# Altium PCB RFID_PCB.PcbDoc (part 1 of 4)
Units mil, origin at the board's own origin, x right, y up, seen from the top; angles counter-clockwise.
Board outline 6299.21 x 3937.01 mil, 2 copper layers (Top Layer, Bottom Layer); 297 components, 238 nets, 1087 pads, 705 vias.
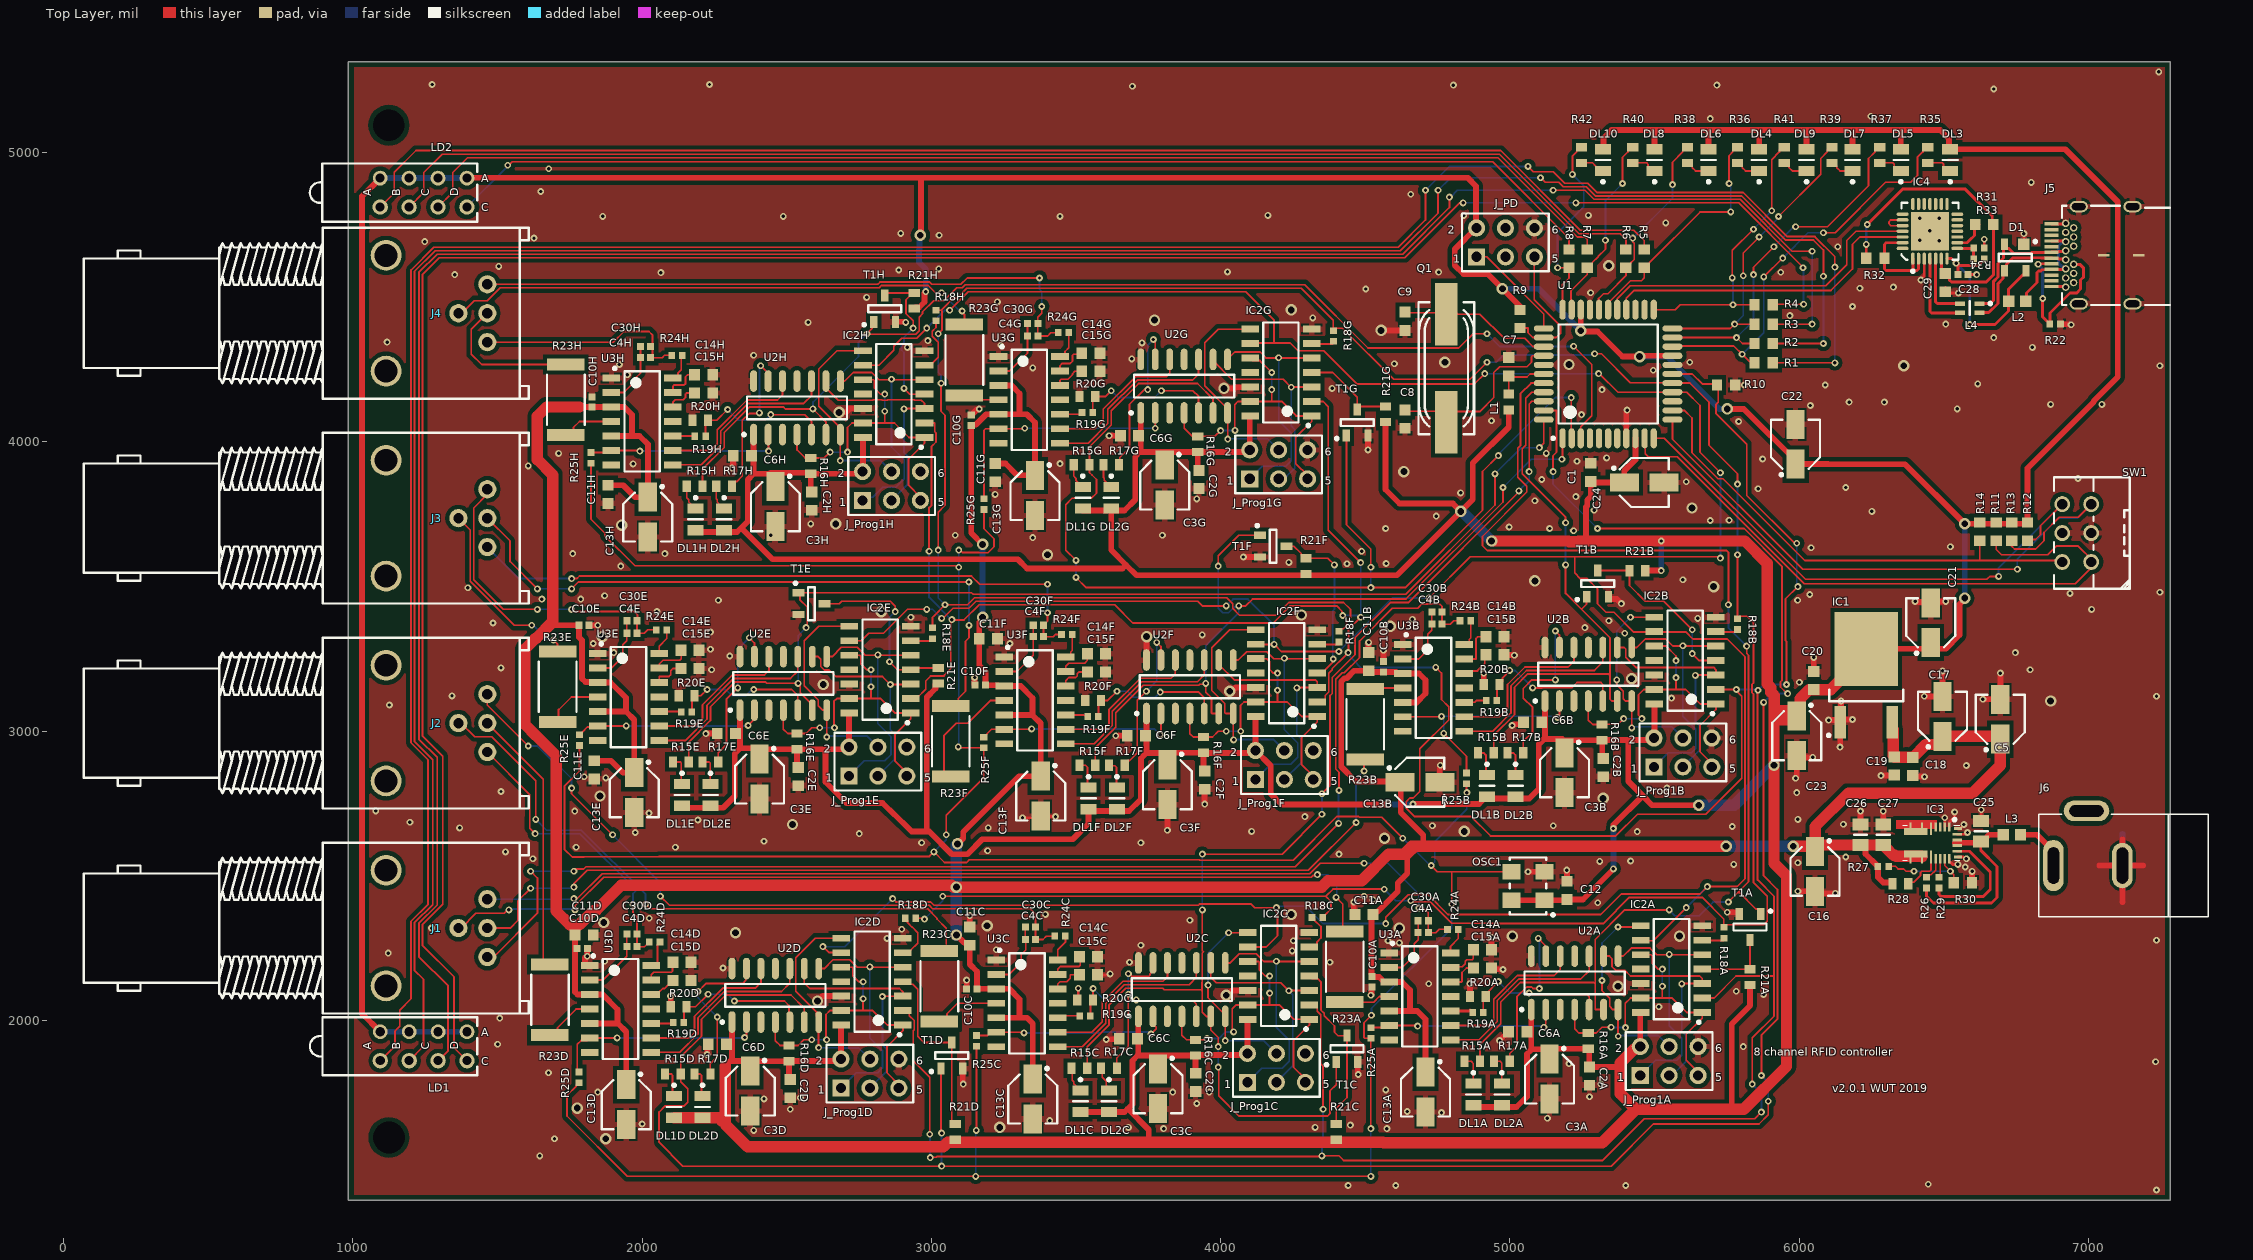
[diagram p0: Top Layer view]
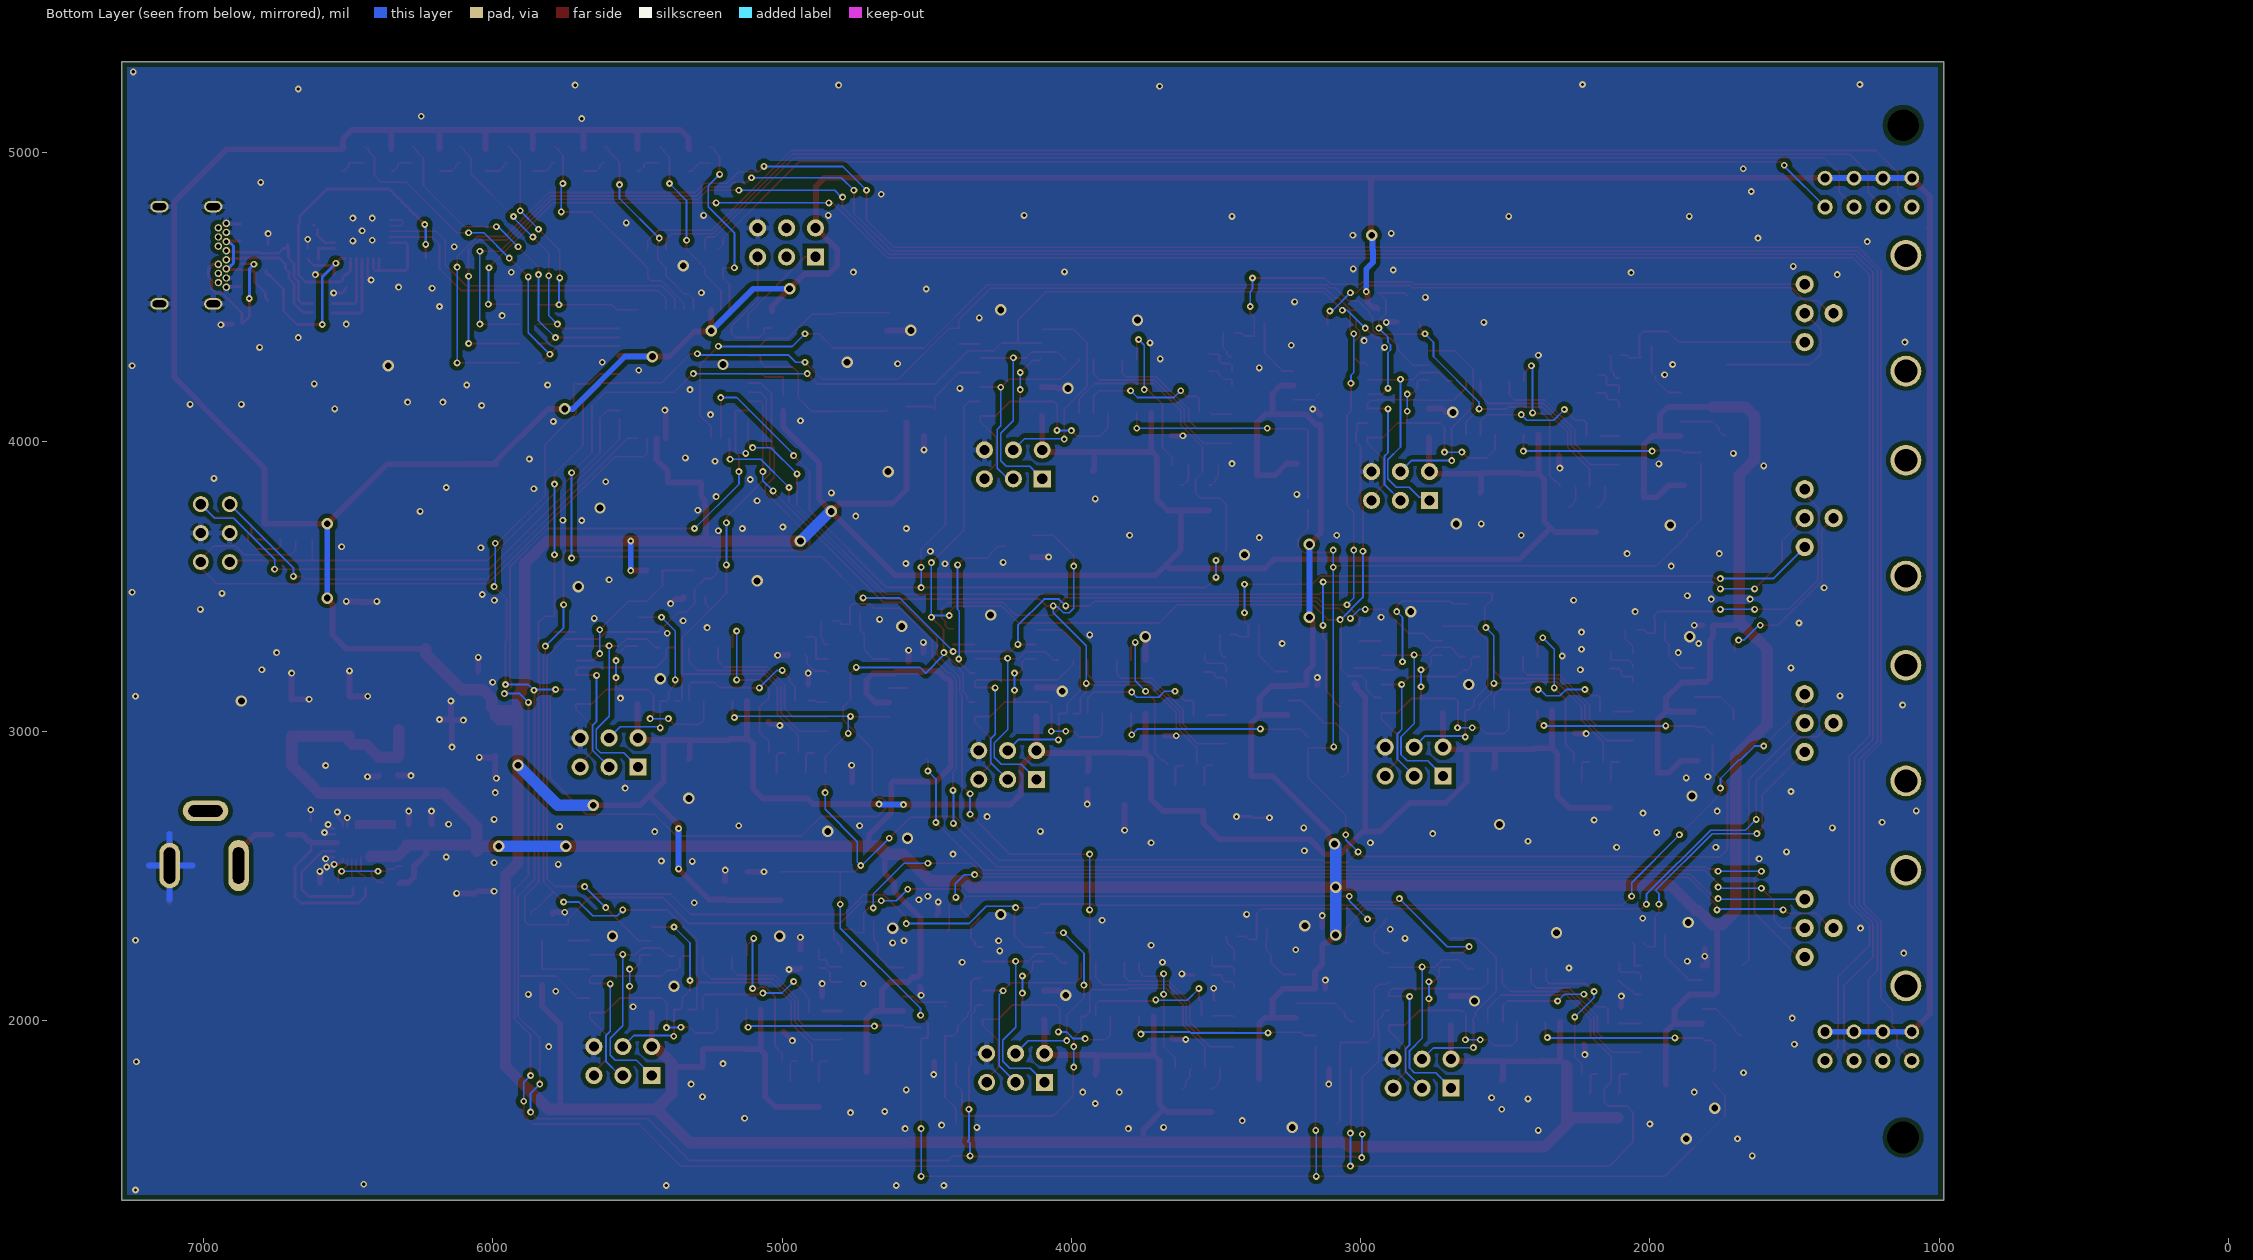
[diagram p1: Bottom Layer view, seen from below]
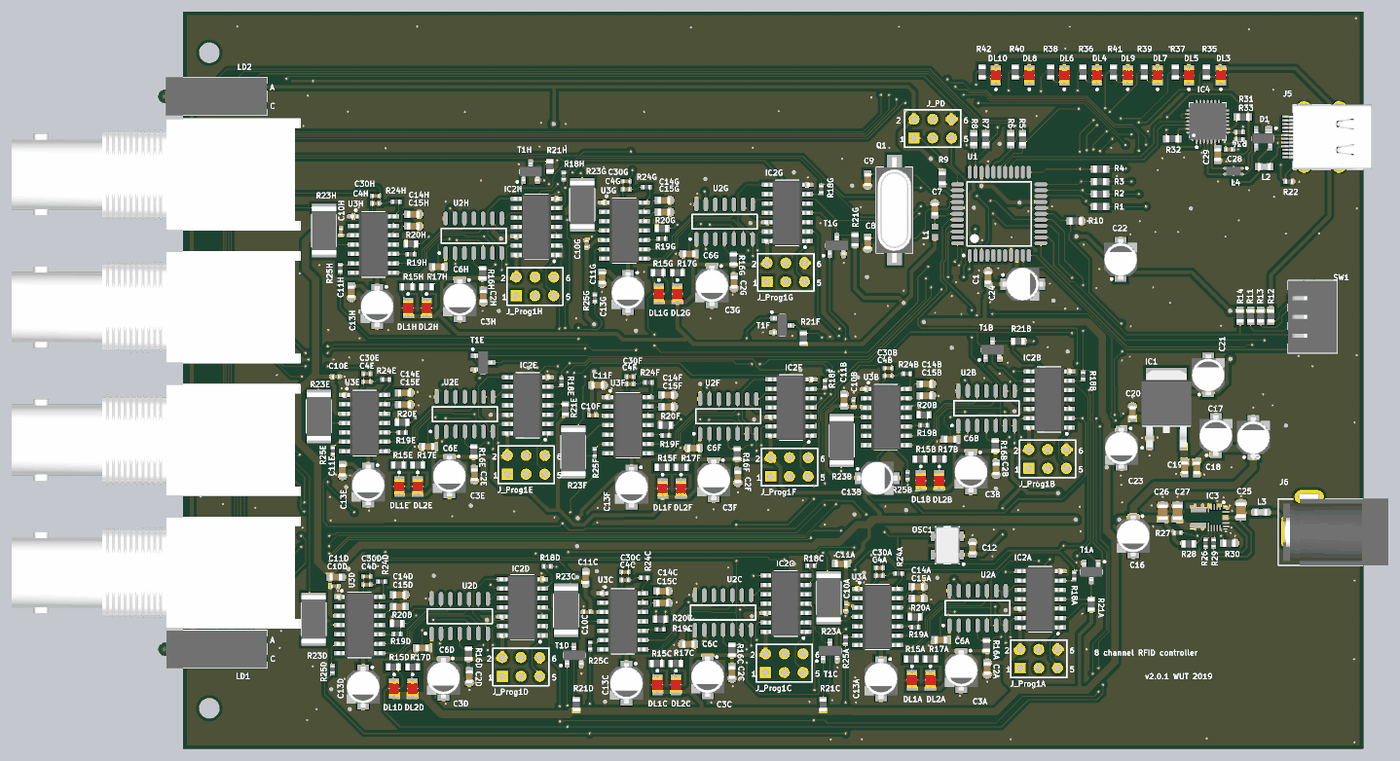
[diagram p5: 3D render of the assembled board from above, using the file's embedded part models]

## Layer stack, top to bottom
Top Solder: solder mask 0.4, Solder Resist, Dk 3.5
Top Layer: signal copper 1.4
Dielectric1: dielectric 12.6, FR-4, Dk 4.8
Bottom Layer: signal copper 1.4
Bottom Solder: solder mask 0.4, Solder Resist, Dk 3.5

## Board outline
984.25,1377.95 7283.46,1377.95 7283.46,5314.96 984.25,5314.96

## Design rules (kind name [scope] priority, off if disabled: settings)
Clearance Clearance_polygon [InPolygon] p1: gap=15 ignorepadtopadclearanceinfootprint=FALSE
Clearance Clearance_power [(InNet('P3V3') OR InNet('P5V0'))] p2 off: gap=20 ignorepadtopadclearanceinfootprint=FALSE except(0: Arc-Hole Track-Hole SMDPad-Hole THPad-Hole Via-Hole Fill-Hole Poly-Hole Region-Hole Text-Hole)
Clearance [NOT ((InNet('P3V3') OR InNet('P5V0')))] p3: gap=6 ignorepadtopadclearanceinfootprint=TRUE except(0: Arc-Hole Track-Hole SMDPad-Hole THPad-Hole Via-Hole Fill-Hole Poly-Hole Region-Hole Text-Hole)
ComponentClearance [All] p1 off: gap=10 collisioncheckmode=3 verticalgap=10 showdistances=FALSE
Height [All] p1 off: minheight=0 maxheight=1968.5 prefheight=500
HoleToHoleClearance [All] p1: gap=0.98 allowstackedmicrovias=TRUE
MinimumSolderMaskSliver [All] p1: minsoldermaskwidth=0
PlaneConnect [All] p1: planeconnectstyle=Relief reliefexpansion=20 reliefentries=4 reliefconductorwidth=20 reliefairgap=10
PolygonConnect [All] p1: thpad.connectstyle=Relief thpad.reliefconductorwidth=20 thpad.reliefentries=4 thpad.polygonreliefangle="90 Angle" thpad.airgapwidth=10 smdpad.connectstyle=Relief smdpad.reliefconductorwidth=20 smdpad.reliefentries=4 smdpad.polygonreliefangle="90 Angle" smdpad.airgapwidth=6 via.connectstyle=Direct via.reliefconductorwidth=10 via.reliefentries=4 via.polygonreliefangle="90 Angle" via.airgapwidth=10
RoomDefinition U_USB [InComponentClass('U_USB')] p1 off: confinementstyle=ConfineIn formatcopy=TRUE lockcomponents=FALSE outline 925.2,1291.34 7952.76,1291.34 7952.76,5322.83 925.2,5322.83
RoomDefinition U_pOWER [InComponentClass('U_pOWER')] p2 off: confinementstyle=ConfineIn formatcopy=TRUE lockcomponents=FALSE outline 7326.76,1437.01 7511.8,1437.01 7511.8,1759.84 7326.76,1759.84
RoomDefinition Master [InComponentClass('Master')] p3 off: confinementstyle=ConfineIn formatcopy=TRUE lockcomponents=FALSE outline 0,0 2000,0 2000,1000 0,1000
RoomDefinition S8 [InComponentClass('S8')] p4 off: confinementstyle=ConfineIn formatcopy=TRUE lockcomponents=FALSE outline 0,0 2000,0 2000,1000 0,1000
RoomDefinition S7 [InComponentClass('S7')] p5 off: confinementstyle=ConfineIn formatcopy=TRUE lockcomponents=FALSE outline 0,0 2000,0 2000,1000 0,1000
RoomDefinition S6 [InComponentClass('S6')] p6 off: confinementstyle=ConfineIn formatcopy=TRUE lockcomponents=FALSE outline 0,0 2000,0 2000,1000 0,1000
RoomDefinition S5 [InComponentClass('S5')] p7 off: confinementstyle=ConfineIn formatcopy=TRUE lockcomponents=FALSE outline 0,0 2000,0 2000,1000 0,1000
RoomDefinition S4 [InComponentClass('S4')] p8 off: confinementstyle=ConfineIn formatcopy=TRUE lockcomponents=FALSE outline 0,0 2000,0 2000,1000 0,1000
RoomDefinition S3 [InComponentClass('S3')] p9 off: confinementstyle=ConfineIn formatcopy=TRUE lockcomponents=FALSE outline 0,0 2000,0 2000,1000 0,1000
RoomDefinition S2 [InComponentClass('S2')] p10 off: confinementstyle=ConfineIn formatcopy=TRUE lockcomponents=FALSE outline 0,0 2000,0 2000,1000 0,1000
RoomDefinition S1 [InComponentClass('S1')] p11 off: confinementstyle=ConfineIn formatcopy=TRUE lockcomponents=FALSE outline 0,0 2000,0 2000,1000 0,1000
RoutingVias [All] p1: holewidth=11.81 width=23.62 viastyle="Through Hole" minholewidth=0 minwidth=0 maxholewidth=35.43 maxwidth=40
SilkToSilkClearance [All] p1: silktosilkclearance=0
SilkToSolderMaskClearance [IsPad] p1: minsilkscreentomaskgap=0 clearancetoexposedcopper=TRUE
SolderMaskExpansion [All] p1: expansion=4 istentingtop=FALSE
SupplyNets "Schematic Supply Nets_4" [InNet('P5V0')] p1: voltage=0.000
SupplyNets "Schematic Supply Nets_3" [InNet('P3V3')] p2: voltage=0.000
SupplyNets "Schematic Supply Nets_2" [InNet('GND')] p3: voltage=0.000
SupplyNets "Schematic Supply Nets_1" [InNet('P5V0USB')] p4: voltage=0.000
SupplyNets "Schematic Supply Nets" [InNet('CP_VCC')] p5: voltage=0.000
Width Width_power [(InNet('P3V3') OR InNet('P5V0'))] p1: maxlimit=40 minlimit=20 preferedwidth=20
Width [All] p2: maxlimit=40 minlimit=5 preferedwidth=6
23 further rules are at their usual default settings.

## Classes and differential pairs
component class U_USB: C28 C29 D1 IC4 J5 L2 L4 R22 R31 R32 R33 R34
component class U_pOWER: C5 C16 C17 C18 C19 C20 C21 C22 C23 C25 C26 C27 IC1 IC3 J6 L3 R26 R27 R28 R29 R30
net class IN_P[1..8]: IN_P1 IN_P2 IN_P3 IN_P4 IN_P5 IN_P6 IN_P7 IN_P8
net class IN_N[1..8]: IN_N1 IN_N2 IN_N3 IN_N4 IN_N5 IN_N6 IN_N7 IN_N8
net class SS_BUS[1..8]: SS_BUS1 SS_BUS2 SS_BUS3 SS_BUS4 SS_BUS5 SS_BUS6 SS_BUS7 SS_BUS8
component class Master: C1 C4 C7 C8 C9 C12 C24 DL3 DL4 DL5 DL6 DL7 DL8 DL9 DL10 J1 J2 J3 J4 J? J_PD L1 LD1 LD2 OSC1 Q1 R1 R2 R3 R4 R5 R6 R7 R8 R9 R10 R11 R12 R13 R14 R35 R36 R37 R38 R39 R40 R41 R42 SW1 U1
component class S8: C2H C3H C4H C6H C10H C11H C13H C14H C15H C30H DL1H DL2H IC2H J_Prog1H R15H R16H R17H R18H R19H R20H R21H R23H R24H R25H T1H U2H U3H
component class S7: C2G C3G C4G C6G C10G C11G C13G C14G C15G C30G DL1G DL2G IC2G J_Prog1G R15G R16G R17G R18G R19G R20G R21G R23G R24G R25G T1G U2G U3G
component class S6: C2F C3F C4F C6F C10F C11F C13F C14F C15F C30F DL1F DL2F IC2F J_Prog1F R15F R16F R17F R18F R19F R20F R21F R23F R24F R25F T1F U2F U3F
component class S5: C2E C3E C4E C6E C10E C11E C13E C14E C15E C30E DL1E DL2E IC2E J_Prog1E R15E R16E R17E R18E R19E R20E R21E R23E R24E R25E T1E U2E U3E
component class S4: C1_S4 C2_S4 C2D C3_S4 C3D C4_S4 C4D C5_S4 C6_S4 C6D C7_S4 C8_S4 C9_S4 C10D C11D C13D C14D C15D C30D DL1_S4 DL1D DL2_S4 DL2D IC1_S4 IC2D J_Prog1_S4 J_Prog1D R1_S4 R2_S4 R3_S4 R4_S4 R5_S4 R6_S4 R15D R16D R17D R18D R19D R20D R21D R23D R24D R25D T1D U1_S4 U2_S4 U2D U3D
component class S3: C2C C3C C4C C6C C10C C11C C13C C14C C15C C30C DL1C DL2C IC2C J_Prog1C R15C R16C R17C R18C R19C R20C R21C R23C R24C R25C T1C U2C U3C
component class S2: C2B C3B C4B C6B C10B C11B C13B C14B C15B C30B DL1B DL2B IC2B J_Prog1B R15B R16B R17B R18B R19B R20B R21B R23B R24B R25B T1B U2B U3B
component class S1: C1_S1 C2_S1 C2A C3_S1 C3A C4_S1 C4A C5_S1 C6A C7_S1 C8_S1 C9_S1 C10A C11A C13A C14A C15A C30A DL1_S1 DL1A DL2_S1 DL2A IC1_S1 IC2A J_Prog1_S1 J_Prog1A R1_S1 R2_S1 R3_S1 R4_S1 R5_S1 R6_S1 R15A R16A R17A R18A R19A R20A R21A R23A R24A R25A T1A U1_S1 U2_S1 U2A U3A
channel class Slave: S1 S2 S3 S4 S5 S6 S7 S8

## Components (designator, comment, footprint, x,y, rotation, side; value= is the part's Value field where it differs from the comment)
C1 "100nF" CAPC1608X87N 5280,3895 r270 top
C2A "100nF" CAPC1608X87N 5275.59,1807.09 r90 top (schematic designator C2)
C2B "100nF" CAPC1608X87N 5322.83,2874.02 r90 top (schematic designator C2)
C2C "100nF" CAPC1608X87N 3913.59,1785.83 r90 top (schematic designator C2)
C2D "100nF" CAPC1608X87N 2511.81,1763.78 r90 top (schematic designator C2)
C2E "100nF" CAPC1608X87N 2539.37,2842.52 r90 top (schematic designator C2)
C2F "100nF" CAPC1608X87N 3944.88,2830.71 r90 top (schematic designator C2)
C2G "100nF" CAPC1608X87N 3925.2,3870.08 r90 top (schematic designator C2)
C2H "100nF" CAPC1608X87N 2586.61,3795.28 r90 top (schematic designator C2)
C3A "22uF" CAPAE430X540N 5137.4,1797.64 r270 top (schematic designator C3)
C3B "22uF" CAPAE430X540N 5188.98,2856.3 r270 top (schematic designator C3)
C3C "22uF" CAPAE430X540N 3783.46,1763.78 r270 top (schematic designator C3)
C3D "22uF" CAPAE430X540N 2374.02,1755.91 r270 top (schematic designator C3)
C3E "22uF" CAPAE430X540N 2405.51,2834.65 r270 top (schematic designator C3)
C3F "22uF" CAPAE430X540N 3816.14,2814.96 r270 top (schematic designator C3)
C3G "22uF" CAPAE430X540N 3806.69,3851.1 r270 top (schematic designator C3)
C3H "22uF" CAPAE430X540N 2460.63,3776.3 r270 top (schematic designator C3)
C4A "2.2nF" CAPC1005X55N 4700.79,2303.15 r180 top (schematic designator C4)
C4B "2.2nF" CAPC1005X55N 4748.03,3370.08 r180 top (schematic designator C4)
C4C "2.2nF" CAPC1005X55N 3342.52,2279.53 r180 top (schematic designator C4)
C4D "2.2nF" CAPC1005X55N 1964.57,2255 r180 top (schematic designator C4)
C4E "2.2nF" CAPC1005X55N 1964.57,3338.58 r180 top (schematic designator C4)
C4F "2.2nF" CAPC1005X55N 3370.08,3326.77 r180 top (schematic designator C4)
C4G "2.2nF" CAPC1005X55N 3350.39,4366.14 r180 top (schematic designator C4)
C4H "2.2nF" CAPC1005X55N 2011.81,4291.34 r180 top (schematic designator C4)
C5 "22uF" CAPAE430X540N 6696.14,3041.18 r90 top
C6A "100nF" CAPC1608X87N 5027.56,1960.63 r0 top (schematic designator C6)
C6B "100nF" CAPC1608X87N 5078.74,3031.5 r0 top (schematic designator C6)
C6C "100nF" CAPC1608X87N 3681.35,1937.01 r0 top (schematic designator C6)
C6D "100nF" CAPC1608X87N 2259.84,1917.32 r0 top (schematic designator C6)
C6E "100nF" CAPC1608X87N 2291.34,2992.13 r0 top (schematic designator C6)
C6F "100nF" CAPC1608X87N 3708.66,2984.25 r0 top (schematic designator C6)
C6G "100nF" CAPC1608X87N 3685.04,4020.87 r0 top (schematic designator C6)
C6H "100nF" CAPC1608X87N 2346.46,3952.76 r0 top (schematic designator C6)
C7 "100nF" CAPC1608X87N 4996.06,4260 r270 top
C8 "12pF" CAPC1608X87N 4637.8,4078.74 r90 top
C9 "12pF" CAPC1608X87N 4637.8,4417.32 r90 top
C10A "1uF" CAPC1005X55N 4523.62,2133.86 r270 top (schematic designator C10)
C10B "1uF" CAPC1005X55N 4562.99,3222.44 r90 top (schematic designator C10)
C10C "1uF" CAPC1005X55N 3139.76,2109.06 r180 top (schematic designator C10)
C10D "1uF" CAPC1005X55N 1792.67,2248.03 r0 top (schematic designator C10)
C10E "1uF" CAPC1005X55N 1799.21,3366.14 r0 top (schematic designator C10)
C10F "1uF" CAPC1005X55N 3169.29,3158.98 r180 top (schematic designator C10)
C10G "1uF" CAPC1005X55N 3137.8,4074.8 r90 top (schematic designator C10)
C10H "1uF" CAPC1005X55N 1826.77,4138.16 r90 top (schematic designator C10)
C11A "100nF" CAPC1608X87N 4496.06,2366.14 r0 top (schematic designator C11)
C11B "100nF" CAPC1608X87N 4511.81,3240.16 r270 top (schematic designator C11)
C11C "100nF" CAPC1608X87N 3132.89,2291.34 r270 top (schematic designator C11)
C11D "100nF" CAPC1608X87N 1799.21,2295.27 r180 top (schematic designator C11)
C11E "100nF" CAPC1608X87N 1834.65,2866.14 r90 top (schematic designator C11)
C11F "100nF" CAPC1608X87N 3196.85,3320.08 r180 top (schematic designator C11)
C11G "100nF" CAPC1608X87N 3220.47,3893.7 r90 top (schematic designator C11)
C11H "100nF" CAPC1608X87N 1881.89,3818.9 r90 top (schematic designator C11)
C12 "100nF" CAPC1608X87N 5197.91,2449.9 r270 top
C13A "22uF" CAPAE430X540N 4708.66,1751.97 r270 top (schematic designator C13)
C13B "22uF" CAPAE430X540N 4688.98,2823.54 r0 top (schematic designator C13)
C13C "22uF" CAPAE430X540N 3350.39,1728.35 r270 top (schematic designator C13)
C13D "22uF" CAPAE430X540N 1944.88,1708.66 r270 top (schematic designator C13)
C13E "22uF" CAPAE430X540N 1972.44,2787.4 r270 top (schematic designator C13)
C13F "22uF" CAPAE430X540N 3377.95,2775.59 r270 top (schematic designator C13)
C13G "22uF" CAPAE430X540N 3358.27,3814.96 r270 top (schematic designator C13)
C13H "22uF" CAPAE430X540N 2019.69,3740.16 r270 top (schematic designator C13)
C14A "100nF" CAPC1608X87N 4905.51,2244.09 r180 top (schematic designator C14)
C14B "100nF" CAPC1608X87N 4948.82,3326.77 r180 top (schematic designator C14)
C14C "100nF" CAPC1608X87N 3543.31,2220.47 r180 top (schematic designator C14)
C14D "100nF" CAPC1608X87N 2137.8,2200.79 r180 top (schematic designator C14)
C14E "100nF" CAPC1608X87N 2165.35,3279.53 r180 top (schematic designator C14)
C14F "100nF" CAPC1608X87N 3570.87,3267.72 r180 top (schematic designator C14)
C14G "100nF" CAPC1608X87N 3551.18,4307.09 r180 top (schematic designator C14)
C14H "100nF" CAPC1608X87N 2212.6,4232.28 r180 top (schematic designator C14)
C15A "100nF" CAPC1608X87N 4905.51,2181.1 r180 top (schematic designator C15)
C15B "100nF" CAPC1608X87N 4948.82,3263.78 r180 top (schematic designator C15)
C15C "100nF" CAPC1608X87N 3543.31,2157.48 r180 top (schematic designator C15)
C15D "100nF" CAPC1608X87N 2137.8,2137.8 r180 top (schematic designator C15)
C15E "100nF" CAPC1608X87N 2165.35,3216.54 r180 top (schematic designator C15)
C15F "100nF" CAPC1608X87N 3570.87,3204.72 r180 top (schematic designator C15)
C15G "100nF" CAPC1608X87N 3551.18,4244.09 r180 top (schematic designator C15)
C15H "100nF" CAPC1608X87N 2212.6,4169.29 r180 top (schematic designator C15)
C16 "22uF" CAPAE430X540N 6055.12,2515.23 r270 top
C17 "22uF" CAPAE430X540N 6496.06,3051.18 r90 top
C18 "100nF" CAPC1608X87N 6393.7,2877.95 r270 top
C19 "100nF" CAPC1608X87N 6329.53,2879.53 r270 top
C20 "100nF" CAPC1608X87N 6051.18,3175.11 r90 top
C21 "22uF" CAPAE430X540N 6455.71,3375 r90 top
C22 "22uF" CAPAE430X540N 5988.19,3992.13 r90 top
C23 "22uF" CAPAE430X540N 5992.13,2984.25 r270 top
C24 "22uF" CAPAE430X540N 5465,3860 r0 top
C25 "10uF" CAPC2012X135N 6629.92,2653.54 r270 top
C26 "22uF" CAPC2012X135N 6212.6,2641.73 r270 top
C27 "22uF" CAPC2012X135N 6291.34,2641.73 r270 top
C28 "1uF" CAPC1005X55N 6566.93,4578.74 r180 top
C29 "100nF" CAPC1608X87N 6506.21,4551.18 r90 top
C30A "6.8nF" CAPC1005X55N 4700.79,2344.56 r180 top (schematic designator C30)
C30B "6.8nF" CAPC1005X55N 4748.03,3411.42 r180 top (schematic designator C30)
C30C "6.8nF" CAPC1005X55N 3342.52,2322.83 r180 top (schematic designator C30)
C30D "6.8nF" CAPC1005X55N 1964.57,2299.21 r180 top (schematic designator C30)
C30E "6.8nF" CAPC1005X55N 1964.57,3381.89 r180 top (schematic designator C30)
C30F "6.8nF" CAPC1005X55N 3370.08,3366.14 r180 top (schematic designator C30)
C30G "6.8nF" CAPC1005X55N 3350.39,4409.45 r180 top (schematic designator C30)
C30H "6.8nF" CAPC1005X55N 2011.81,4330.71 r180 top (schematic designator C30)
D1 "PRTR5V0U2X" SOT190P230X110-4N 6748.03,4637.8 r270 top
DL1A "Red" LED_OSRAM_LSR976 4874.02,1744.09 r270 top (schematic designator DL1)
DL1B "Red" LED_OSRAM_LSR976 4921.26,2811.02 r270 top (schematic designator DL1)
DL1C "Red" LED_OSRAM_LSR976 3515.75,1720.47 r270 top (schematic designator DL1)
DL1D "Red" LED_OSRAM_LSR976 2110.24,1700.79 r270 top (schematic designator DL1)
DL1E "Red" LED_OSRAM_LSR976 2137.8,2779.53 r270 top (schematic designator DL1)
DL1F "Red" LED_OSRAM_LSR976 3543.31,2767.72 r270 top (schematic designator DL1)
DL1G "Red" LED_OSRAM_LSR976 3523.62,3807.09 r270 top (schematic designator DL1)
DL1H "Red" LED_OSRAM_LSR976 2185.04,3732.28 r270 top (schematic designator DL1)
DL2A "Red" LED_OSRAM_LSR976 4972.44,1744.09 r270 top (schematic designator DL2)
DL2B "Red" LED_OSRAM_LSR976 5019.69,2811.02 r270 top (schematic designator DL2)
DL2C "Red" LED_OSRAM_LSR976 3614.17,1720.47 r270 top (schematic designator DL2)
DL2D "Red" LED_OSRAM_LSR976 2208.66,1700.79 r270 top (schematic designator DL2)
DL2E "Red" LED_OSRAM_LSR976 2236.22,2779.53 r270 top (schematic designator DL2)
DL2F "Red" LED_OSRAM_LSR976 3641.73,2767.72 r270 top (schematic designator DL2)
DL2G "Red" LED_OSRAM_LSR976 3622.05,3807.09 r270 top (schematic designator DL2)
DL2H "Red" LED_OSRAM_LSR976 2283.46,3732.28 r270 top (schematic designator DL2)
DL3 "Red" LED_OSRAM_LSR976 6522.83,4974.6 r90 top
DL4 "Red" LED_OSRAM_LSR976 5862.2,4974.6 r90 top
DL5 "Red" LED_OSRAM_LSR976 6351.97,4974.6 r90 top
DL6 "Red" LED_OSRAM_LSR976 5687.4,4974.6 r90 top
DL7 "Red" LED_OSRAM_LSR976 6185.04,4974.6 r90 top
DL8 "Red" LED_OSRAM_LSR976 5500.79,4974.6 r90 top
DL9 "Red" LED_OSRAM_LSR976 6025.98,4974.6 r90 top
DL10 "Red" LED_OSRAM_LSR976 5322.05,4974.6 r90 top
IC1 "NCP1117DT33G" TO228P991X239-3N-R552X520 6232.28,3194.09 r90 top
IC2A "74LVC126A" SOIC127P600X175-14N 5559.06,2177.17 r180 top (schematic designator IC2)
IC2B "74LVC126A" SOIC127P600X175-14N 5606.3,3244.09 r180 top (schematic designator IC2)
IC2C "74LVC126A" SOIC127P600X175-14N 4200.79,2153.54 r180 top (schematic designator IC2)
IC2D "74LVC126A" SOIC127P600X175-14N 2795.28,2133.86 r180 top (schematic designator IC2)
IC2E "74LVC126A" SOIC127P600X175-14N 2822.83,3212.6 r180 top (schematic designator IC2)
IC2F "74LVC126A" SOIC127P600X175-14N 4228.35,3200.79 r180 top (schematic designator IC2)
IC2G "74LVC126A" SOIC127P600X175-14N 4208.66,4240.16 r180 top (schematic designator IC2)
IC2H "74LVC126A" SOIC127P600X175-14N 2870.08,4165.35 r180 top (schematic designator IC2)
IC3 "MPM3632C" "PCBComponent_1 - duplicate" 6452.76,2614.17 r270 top
IC4 "CP2102-GM" QFN50P500X500X100-29N-S335 6452.76,4728.35 r90 top
J1 "Family" RENHOTEC_RHT-610-0049 1220.47,2319.14 r180 top
J2 "Family" RENHOTEC_RHT-610-0049 1220.47,3027.8 r180 top
J3 "Family" RENHOTEC_RHT-610-0049 1220.47,3736.46 r180 top
J4 "Family" RENHOTEC_RHT-610-0049 1220.47,4445.13 r180 top
J5 "632723300011" 632723300011 7106.3,4645.67 r90 top
J6 "PC-GK2.1" DC2020 6879.92,2535.43 r270 top
J_PD "DS1021-2*3SF11-B" HDR2X3 4885,4640 r0 top
J_Prog1A "DS1021-2*3SF11-B" HDR2X3 5451.18,1809.45 r0 top (schematic designator J_Prog1)
J_Prog1B "DS1021-2*3SF11-B" HDR2X3 5498.43,2876.38 r0 top (schematic designator J_Prog1)
J_Prog1C "DS1021-2*3SF11-B" HDR2X3 4092.91,1785.83 r0 top (schematic designator J_Prog1)
J_Prog1D "DS1021-2*3SF11-B" HDR2X3 2687.4,1766.14 r0 top (schematic designator J_Prog1)
J_Prog1E "DS1021-2*3SF11-B" HDR2X3 2715,2845 r0 top (schematic designator J_Prog1)
J_Prog1F "DS1021-2*3SF11-B" HDR2X3 4120.47,2833.07 r0 top (schematic designator J_Prog1)
J_Prog1G "DS1021-2*3SF11-B" HDR2X3 4100.79,3872.44 r0 top (schematic designator J_Prog1)
J_Prog1H "DS1021-2*3SF11-B" HDR2X3 2762.2,3797.64 r0 top (schematic designator J_Prog1)
L1 "1500R@100MHz" 1608[0603] 4996.06,4137.8 r270 top
L2 "120R@100MHz" INDC1608X65N 6755,4486.48 r180 top
L3 "120R@100MHz" INDC1608X65N 6736.22,2641.73 r180 top
L4 "90R@100MHz" IND_MURATA_DLW21S 6590.55,4462.86 r180 top
LD1 "H485CGDL" LED_BIVAR_H485CGDL 1244.49,1910.63 r0 top
LD2 "H485CGDL" LED_BIVAR_H485CGDL 1244.09,4862.2 r0 top
OSC1 "ISM92-3351AH-4.0000" OSCSC250P320X500X130-4N 5062.91,2464.9 r180 top
Q1 "LFXTAL003237" XTAL1160X490X430 4780.63,4255 r90 top value=16MHz
R1 "510" RESC1608X55N 5877.52,4273.5 r180 top
R2 "510" RESC1608X55N 5877.52,4340.43 r180 top
R3 "510" RESC1608X55N 5877.52,4407.36 r180 top
R4 "510" RESC1608X55N 5877.52,4474.29 r180 top
R5 "510" RESC1608X55N 5465,4633.86 r270 top
R6 "510" RESC1608X55N 5401.57,4633.86 r270 top
R7 "510" RESC1608X55N 5267.72,4633.86 r270 top
R8 "510" RESC1608X55N 5204.72,4633.86 r270 top
R9 "10k" RESC1608X55N 5035.43,4425.2 r90 top
R10 "10k" RESC1608X55N 5748.03,4196.85 r180 top
R11 "10k" RESC1608X55N 6681.67,3690 r90 top
R12 "10k" RESC1608X55N 6790,3690 r90 top
R13 "10k" RESC1608X55N 6735,3690 r90 top
R14 "10k" RESC1608X55N 6625,3690 r90 top
R15A "1k" RESC1608X50N 4870.08,1858.27 r180 top (schematic designator R15)
R15B "1k" RESC1608X50N 4917.32,2925.2 r180 top (schematic designator R15)
R15C "1k" RESC1608X50N 3511.81,1834.65 r180 top (schematic designator R15)
R15D "1k" RESC1608X50N 2106.3,1814.96 r180 top (schematic designator R15)
R15E "1k" RESC1608X50N 2133.86,2893.7 r180 top (schematic designator R15)
R15F "1k" RESC1608X50N 3539.37,2881.89 r180 top (schematic designator R15)
R15G "1k" RESC1608X50N 3519.68,3921.26 r180 top (schematic designator R15)
R15H "1k" RESC1608X50N 2181.1,3846.46 r180 top (schematic designator R15)
R16A "10k" RESC1608X50N 5271.65,1929.13 r270 top value=1k (schematic designator R16)
R16B "10k" RESC1608X50N 5318.9,2996.06 r270 top value=1k (schematic designator R16)
R16C "10k" RESC1608X50N 3913.39,1905.51 r270 top value=1k (schematic designator R16)
R16D "10k" RESC1608X50N 2507.87,1885.83 r270 top value=1k (schematic designator R16)
R16E "10k" RESC1608X50N 2535.43,2964.57 r270 top value=1k (schematic designator R16)
R16F "10k" RESC1608X50N 3940.94,2952.76 r270 top value=1k (schematic designator R16)
R16G "10k" RESC1608X50N 3921.26,3992.13 r270 top value=1k (schematic designator R16)
R16H "10k" RESC1608X50N 2582.68,3917.32 r270 top value=1k (schematic designator R16)
R17A "1k" RESC1608X50N 4972.44,1858.27 r180 top (schematic designator R17)
R17B "1k" RESC1608X50N 5019.69,2925.2 r180 top (schematic designator R17)
R17C "1k" RESC1608X50N 3614.17,1834.65 r180 top (schematic designator R17)
R17D "1k" RESC1608X50N 2208.66,1814.96 r180 top (schematic designator R17)
R17E "1k" RESC1608X50N 2236.22,2893.7 r180 top (schematic designator R17)
R17F "1k" RESC1608X50N 3641.73,2881.89 r180 top (schematic designator R17)
R17G "1k" RESC1608X50N 3622.05,3921.26 r180 top (schematic designator R17)
R17H "1k" RESC1608X50N 2283.46,3846.46 r180 top (schematic designator R17)
R18A "100" RESC1005X40N 5740.16,2303.15 r270 top (schematic designator R18)
R18B "100" RESC1005X40N 5787.4,3370.08 r270 top (schematic designator R18)
R18C "100" RESC1005X40N 4334.6,2356.2 r180 top (schematic designator R18)
R18D "100" RESC1005X40N 2927.95,2353.11 r180 top (schematic designator R18)
R18E "100" RESC1005X40N 3003.94,3338.58 r270 top (schematic designator R18)
R18F "100" RESC1005X40N 4409.45,3326.77 r270 top (schematic designator R18)
R18G "100" RESC1005X40N 4389.76,4366.14 r270 top (schematic designator R18)
R18H "100" RESC1005X40N 3015.89,4437.01 r270 top (schematic designator R18)
R19A "100" RESC1005X40N 4889.76,2027.56 r0 top (schematic designator R19)
R19B "100" RESC1005X40N 4937.01,3106.3 r0 top (schematic designator R19)
R19C "100" RESC1005X40N 3531.5,2015.75 r0 top (schematic designator R19)
R19D "100" RESC1005X40N 2125.98,1992.13 r0 top (schematic designator R19)
R19E "100" RESC1005X40N 2153.54,3066.93 r0 top (schematic designator R19)
R19F "100" RESC1005X40N 3559.06,3051.18 r0 top (schematic designator R19)
R19G "100" RESC1005X40N 3539.37,4102.36 r0 top (schematic designator R19)
R19H "100" RESC1005X40N 2200.79,4019.68 r0 top (schematic designator R19)
R20A "15k" RESC1608X50N 4889.76,2082.68 r180 top (schematic designator R20)
R20B "15k" RESC1608X50N 4937.01,3161.42 r180 top (schematic designator R20)
R20C "15k" RESC1608X50N 3531.5,2070.87 r180 top (schematic designator R20)
R20D "15k" RESC1608X50N 2125.98,2047.24 r180 top (schematic designator R20)
R20E "15k" RESC1608X50N 2153.54,3122.05 r180 top (schematic designator R20)
R20F "15k" RESC1608X50N 3559.06,3106.3 r180 top (schematic designator R20)
R20G "15k" RESC1608X50N 3539.37,4157.48 r180 top (schematic designator R20)
R20H "15k" RESC1608X50N 2200.79,4074.8 r180 top (schematic designator R20)
R21A "10k" RESC1608X50N 5830.9,2149.61 r270 top value=1k (schematic designator R21)
R21B "10k" RESC1608X50N 5440.94,3555.12 r0 top value=1k (schematic designator R21)
R21C "10k" RESC1608X50N 4399.61,1614.17 r270 top value=1k (schematic designator R21)
R21D "10k" RESC1608X50N 3082.61,1614.17 r270 top value=1k (schematic designator R21)
R21E "10k" RESC1608X50N 3023.62,3191.65 r270 top value=1k (schematic designator R21)
R21F "10k" RESC1608X50N 4295.28,3570.87 r270 top value=1k (schematic designator R21)
R21G "10k" RESC1608X50N 4570.49,4095.67 r270 top value=1k (schematic designator R21)
R21H "10k" RESC1608X50N 2940.94,4488.19 r270 top value=1k (schematic designator R21)
R22 "5k1" RESC1005X40N 6885.83,4407.36 r180 top
R23A "49R9" RESC6331X70N 4429.13,2185 r270 top (schematic designator R23)
R23B "49R9" RESC6331X70N 4500,3024.47 r90 top (schematic designator R23)
R23C "49R9" RESC6331X70N 3027.56,2118.11 r270 top (schematic designator R23)
R23D "49R9" RESC6331X70N 1681.1,2070.87 r270 top (schematic designator R23)
R23E "49R9" RESC6331X70N 1707.83,3153.54 r270 top (schematic designator R23)
R23F "49R9" RESC6331X70N 3066.93,2964.57 r270 top (schematic designator R23)
R23G "49R9" RESC6331X70N 3114.17,4283.46 r270 top (schematic designator R23)
R23H "49R9" RESC6331X70N 1736.22,4145.67 r270 top (schematic designator R23)
R24A "100k" RESC1005X40N 4803.15,2314.96 r0 top (schematic designator R24)
R24B "100k" RESC1005X40N 4846.46,3381.89 r0 top (schematic designator R24)
R24C "100k" RESC1005X40N 3444.88,2291.34 r0 top (schematic designator R24)
R24D "100k" RESC1005X40N 2043.31,2271.65 r0 top (schematic designator R24)
R24E "100k" RESC1005X40N 2066.93,3350.39 r0 top (schematic designator R24)
R24F "100k" RESC1005X40N 3468.5,3334.65 r0 top (schematic designator R24)
R24G "100k" RESC1005X40N 3456.69,4377.95 r0 top (schematic designator R24)
R24H "100k" RESC1005X40N 2120.64,4299.61 r0 top (schematic designator R24)
R25A "100" RESC1005X40N 4519.69,1956.69 r90 top (schematic designator R25)
R25B "100" RESC1005X40N 4850.39,2837.01 r90 top (schematic designator R25)
R25C "100" RESC1005X40N 3156.38,1929.13 r90 top (schematic designator R25)
R25D "100" RESC1005X40N 1781.5,1803.15 r90 top (schematic designator R25)
R25E "100" RESC1005X40N 1783.46,2968.9 r90 top (schematic designator R25)
R25F "100" RESC1005X40N 3181.1,2960.96 r90 top (schematic designator R25)
R25G "100" RESC1005X40N 3181.89,3785 r90 top (schematic designator R25)
R25H "100" RESC1005X40N 1822.83,3944.88 r90 top (schematic designator R25)
R26 "100k" RESC1005X40N 6440.94,2476.38 r90 top
R27 "47k" RESC1005X40N 6291.34,2532.68 r180 top
R28 "1k" RESC1608X50N 6350.39,2472.44 r180 top
R29 "100k" RESC1005X40N 6484.25,2476.38 r270 top
R30 "8k87" RESC1608X55N 6566.93,2476.38 r180 top
R31 "24k" RESC1005X40N 6622.05,4632.9 r0 top
R32 "10k" RESC1608X55N 6263.78,4635.83 r180 top
R33 "47k" RESC1005X40N 6622.05,4671.14 r180 top
R34 "10k" RESC1608X55N 6640.55,4751.97 r0 top
R35 "1k" RESC1608X50N 6444.88,4992.13 r270 top
R36 "1k" RESC1608X50N 5787.4,4992.13 r270 top
R37 "1k" RESC1608X50N 6279.53,4992.13 r270 top
R38 "1k" RESC1608X50N 5614.17,4992.13 r270 top
R39 "1k" RESC1608X50N 6114.17,4992.13 r270 top
R40 "1k" RESC1608X50N 5425.2,4992.13 r270 top
R41 "1k" RESC1608X50N 5948.82,4992.13 r270 top
R42 "1k" RESC1608X50N 5248.03,4992.13 r270 top
SW1 "HEX" SW_OMRON_A6RV-162RF 7010.23,3685 r180 top
T1A "BSS138LT1G" SOT95P240X110-3N 5830.71,2322.83 r270 top (schematic designator T1)
T1B "BSS138LT1G" SOT95P240X110-3N 5303.91,3510 r90 top (schematic designator T1)
T1C "BSS138LT1G" SOT95P240X110-3N 4437.01,1901.97 r90 top (schematic designator T1)
T1D "BSS138LT1G" SOT95P240X110-3N 3070.87,1878.35 r90 top (schematic designator T1)
T1E "BSS138LT1G" SOT95P240X110-3N 2585.43,3440.94 r0 top (schematic designator T1)
T1F "BSS138LT1G" SOT95P240X110-3N 4181.88,3639.76 r0 top (schematic designator T1)
T1G "BSS138LT1G" SOT95P240X110-3N 4472.44,4066.93 r90 top (schematic designator T1)
T1H "BSS138LT1G" SOT95P240X110-3N 2838.58,4460.63 r90 top (schematic designator T1)
U1 "ATxmega16A4U-AU" 44A_N 5340,4235 r90 top
U2A "ATtiny441-SU" 14S1_L 5224.41,2129.92 r90 top (schematic designator U2)
U2B "ATtiny441-SU" 14S1_L 5271.65,3196.85 r90 top (schematic designator U2)
U2C "ATtiny441-SU" 14S1_L 3866.14,2106.3 r90 top (schematic designator U2)
U2D "ATtiny441-SU" 14S1_L 2460.63,2086.61 r90 top (schematic designator U2)
U2E "ATtiny441-SU" 14S1_L 2488.19,3165.35 r90 top (schematic designator U2)
U2F "ATtiny441-SU" 14S1_L 3893.7,3153.54 r90 top (schematic designator U2)
U2G "ATtiny441-SU" 14S1_L 3874.02,4192.91 r90 top (schematic designator U2)
U2H "ATtiny441-SU" 14S1_L 2535.43,4118.11 r90 top (schematic designator U2)
U3A "HTRC11001T" SOIC127P600X175-14N 4688.98,2082.68 r0 top (schematic designator U3)
U3B "HTRC11001T" SOIC127P600X175-14N 4736.22,3149.61 r0 top (schematic designator U3)
U3C "HTRC11001T" SOIC127P600X175-14N 3330.71,2059.06 r0 top (schematic designator U3)
U3D "HTRC11001T" SOIC127P600X175-14N 1925.2,2039.37 r0 top (schematic designator U3)
U3E "HTRC11001T" SOIC127P600X175-14N 1952.76,3118.11 r0 top (schematic designator U3)
U3F "HTRC11001T" SOIC127P600X175-14N 3358.27,3106.3 r0 top (schematic designator U3)
U3G "HTRC11001T" SOIC127P600X175-14N 3338.58,4145.67 r0 top (schematic designator U3)
U3H "HTRC11001T" SOIC127P600X175-14N 2000,4070.87 r0 top (schematic designator U3)

## Footprints (in the part's own frame and the unit in brackets; to place one, negate y for a bottom-side part, rotate by r counter-clockwise, add the part's x,y. Pads: shape width x height; smd on the part's side, far side on the other; paste and mask are expansions set on the pad)
14S1_L [mm] "SOIC, 14-Leads, Body 8.7x3.9mm, Pitch 1.27mm, IPC High Density"
  oval 1.9x0.6 smd: 1(-2.35,3.81) 2(-2.35,2.54) 3(-2.35,1.27) 4(-2.35,0) 5(-2.35,-1.27) 6(-2.35,-2.54) 7(-2.35,-3.81) 8(2.35,-3.81) 9(2.35,-2.54) 10(2.35,-1.27) 11(2.35,0) 12(2.35,1.27) 13(2.35,2.54) 14(2.35,3.81)
  silkscreen extent -2.47,-4.4 1,4.78, body extent -2,-4.38 2,4.38, height 1.75
44A_N [mm] "Thin QFP, 44-Leads, Body 10x10mm, Pitch 0.8mm, IPC Medium Density"
  oval 1.75x0.55 smd: 1(-5.65,4) 2(-5.65,3.2) 3(-5.65,2.4) 4(-5.65,1.6) 5(-5.65,0.8) 6(-5.65,0) 7(-5.65,-0.8) 8(-5.65,-1.6) 9(-5.65,-2.4) 10(-5.65,-3.2) 11(-5.65,-4) 23(5.65,-4) 24(5.65,-3.2) 25(5.65,-2.4) 26(5.65,-1.6) 27(5.65,-0.8) 28(5.65,0) 29(5.65,0.8) 30(5.65,1.6) 31(5.65,2.4) 32(5.65,3.2) 33(5.65,4)
  oval 0.55x1.75 smd: 12(-4,-5.65) 13(-3.2,-5.65) 14(-2.4,-5.65) 15(-1.6,-5.65) 16(-0.8,-5.65) 17(0,-5.65) 18(0.8,-5.65) 19(1.6,-5.65) 20(2.4,-5.65) 21(3.2,-5.65) 22(4,-5.65) 34(4,5.65) 35(3.2,5.65) 36(2.4,5.65) 37(1.6,5.65) 38(0.8,5.65) 39(0,5.65) 40(-0.8,5.65) 41(-1.6,5.65) 42(-2.4,5.65) 43(-3.2,5.65) 44(-4,5.65)
  silkscreen extent -5.77,-4.35 4.35,4.95, body extent -5,-5 5,5, height 1.2
1608[0603] [mm] "Chip Capacitor, Body 1.6x0.8mm, IPC High Density"
  rect 0.8x0.9 smd: 1(-0.7,0) 2(0.7,0)
  body extent -0.87,-0.48 0.87,0.48, height 1.3
632723300011 [mm] "USB 3.1 Type C Receptacle Horizontal THR"
  rect 0.3x1.2 smd: A1(-2.75,5.93) A2(-2.25,5.93) A3(-1.75,5.93) A4(-1.25,5.93) A5(-0.75,5.93) A6(-0.25,5.93) A7(0.25,5.93) A8(0.75,5.93) A9(1.25,5.93) A10(1.75,5.93) A11(2.25,5.93) A12(2.75,5.93)
  round 0.65 hole 0.4: B1(2.8,4.68) B2(2.4,3.98) B3(1.6,3.98) B4(1.2,4.68) B5(0.8,3.98) B6(0.4,4.68) B7(-0.4,4.68) B8(-0.8,3.98) B9(-1.2,4.68) B10(-1.6,3.98) B11(-2.4,3.98) B12(-2.8,4.68) G1(2,4.68) G2(-2,4.68)
  oval 1x1.6 hole 0.6 slot 1.2 at 90 deg: Shell(-4.27,-1.2) Shell(-4.27,3.53) Shell(4.27,-1.2) Shell(4.27,3.53)
  rect 0.2x1 smd: Shell(0,1.35) Shell(0,-1.75)
  silkscreen extent -4.37,-4.45 4.34,5, body extent -4.37,-5.6 4.37,6.19, height 3.05
CAPAE430X540N [mm] "Capacitor, Aluminium Electrolytric, 4.3mm L X 4.3mm W X 5.4mm H, IPC Medium Density"
  rect 2.55x1.6 smd: 1(-1.75,0) 2(1.75,0)
  silkscreen extent -2.8,-2.15 2.15,2.15, body extent -2.75,-2.25 2.75,2.25, height 5.7
CAPC1005X55N [mm] "Capacitor, Non-Polarized, Chip; 1.00mm L X 0.50mm W X 0.70mm H, IPC Medium Density"
  rect 0.62x0.62 smd: 1(-0.45,0) 2(0.45,0)
  body extent -0.52,-0.27 0.53,0.28, height 0.55
CAPC1608X87N [mm] "Chip Capacitor, Body 1.6x0.8mm IPC Medium Density"
  rect 0.95x1 smd: 1(-0.8,0) 2(0.8,0)
  body extent -0.87,-0.47 0.88,0.48, height 0.87
CAPC2012X135N [mm] "Chip Capacitor, Body 2.0x1.25mm, IPC Medium Density"
  rect 1.05x1.4 smd: 1(-0.9,0) 2(0.9,0)
  silkscreen extent 0,-0.58 0,0.58, body extent -1.05,-0.67 1.05,0.68, height 1.25
DC2020 [mm]
  oval 4x1.8 hole 1 slot 3.175 at 0 deg: 1(0,6.05)
  oval 1.8x4 hole 1 slot 3 at 90 deg: 2(-4.8,2.9)
  oval 4.5x1.8 hole 1 slot 3.2 at 0 deg: 3(0,0)
  silkscreen extent -4.5,-1.3 4.5,13.6, body extent -5.2,-0.61 4.5,13.59, height 11
HDR2X3 [mm] "Connector; Header; 3x2 Position"
  rect 1.5x1.5 hole 0.9: 1(0,0)
  round 1.5 hole 0.9: 2(0,2.54) 3(2.54,0) 4(2.54,2.54) 5(5.08,0) 6(5.08,2.54)
  silkscreen extent -1.27,-1.27 6.35,3.81
IND_MURATA_DLW21S [mm] "Common Mode Choke Coil, DLW21S Series - Body 2 x 1.2mm"
  rect 0.9x0.4 smd: 1(-0.85,-0.4) 2(0.85,-0.4) 3(0.85,0.4) 4(-0.85,0.4)
  silkscreen extent -1.92,-0.6 0,0.6, body extent -1,-0.6 1,0.6, height 1.4
INDC1608X65N [mm] "Chip Inductor, 2-Leads, EIA 0603, Metric 1608, Body 1.6x0.8mm, IPC Medium Density"
  rect 1x1 smd: 1(-0.75,0) 2(0.75,0)
  body extent -0.87,-0.47 0.88,0.48, height 0.65
LED_BIVAR_H485CGDL [mm] "Quad-Level 2mm Green, PCB Edge Mounting  BIVAR H485CGDL"
  round 1.35 hole 0.8: 1(-3.81,-1.27) 3(-1.27,-1.27) 5(1.27,-1.27) 7(3.81,-1.27)
  round 1.3 hole 0.8: 2(-3.81,1.27) 4(-1.27,1.27) 6(1.27,1.27) 8(3.81,1.27)
  silkscreen extent -9.99,-2.55 4.71,2.55, body extent -9.99,-2.55 4.71,2.55, height 11.3
LED_OSRAM_LSR976 [mm] "Super Red Chip LED, 2-Leads, Body 2.0x1.25mm, IPC Medium Density"
  rect 0.9x1.4 smd: 1(-0.95,0) 2(0.95,0)
  silkscreen extent -2.02,-0.65 0,0.65, body extent -1.05,-0.67 1.05,0.68, height 0.9
OSCSC250P320X500X130-4N [mm] "Oscillator, Side Concave; 2.54mm Pitch; 4 pin, 3.20mm L X 5.00mm W X 1.30mm H, IPC Medium Density"
  rect 1.6x1.35 smd: 1(-1.45,1.25) 2(-1.45,-1.25) 3(1.45,-1.25) 4(1.45,1.25)
  silkscreen extent -2.33,-2.5 1.6,2.67, body extent -1.7,-2.6 1.7,2.6, height 1.3
"PCBComponent_1 - duplicate" [mm]
  rect 0.8x0.2 smd: 1(-1.4,1.7) 2(-1.4,1.3) 3(-1.4,0.9) 4(-1.4,0.5) 11(1.4,0.5) 12(1.4,0.9) 13(1.4,1.3) 14(1.4,1.7)
  rect 1.1x0.2 smd: 5(-1.25,0.1) 6(-1.25,-0.7) 7(-1.25,-1.7) 8(1.25,-1.7) 9(1.25,-0.7) 10(1.25,0.1)
  rect 0.6x2.1 smd: 6(-1,-1.25) 8(1,-1.25)
  rect 0.25x0.7 smd: 15(1.25,2.45) 20(-1.25,2.45)
  rect 0.25x0.8 smd: 16(0.75,2.4) 17(0.25,2.4) 18(-0.25,2.4) 19(-0.75,2.4)
  silkscreen extent -2.16,-2.4 1.55,2.6
QFN50P500X500X100-29N-S335 [mm] "QFN, 0.50mm Pitch, Square; 28 pin, 5.00mm L X 5.00mm W X 1.00mm H body (w/thermal tab 3.35 X 3.35mm),  IPC Medium Density"
  oval 1.05x0.3 smd: 1(-2.4,1.5) 2(-2.4,1) 3(-2.4,0.5) 4(-2.4,0) 5(-2.4,-0.5) 6(-2.4,-1) 7(-2.4,-1.5) 15(2.4,-1.5) 16(2.4,-1) 17(2.4,-0.5) 18(2.4,0) 19(2.4,0.5) 20(2.4,1) 21(2.4,1.5)
  oval 0.3x1.05 smd: 8(-1.5,-2.4) 9(-1,-2.4) 10(-0.5,-2.4) 11(0,-2.4) 12(0.5,-2.4) 13(1,-2.4) 14(1.5,-2.4) 22(1.5,2.4) 23(1,2.4) 24(0.5,2.4) 25(0,2.4) 26(-0.5,2.4) 27(-1,2.4) 28(-1.5,2.4)
  rect 3.35x3.35 smd: 29(0,0)
  silkscreen extent -3.62,-2.5 2.5,2.5, body extent -2.5,-2.5 2.5,2.5, height 1
RENHOTEC_RHT-610-0049 [mm] "Dual Right Angle 50 Ohm BNC Jack, White Valox Case"
  round 1.6 hole 0.9: 1(-6.2,-2.54) 2(-6.2,0) 3(-6.2,2.54) 4(-3.66,0)
  round 2.7 hole 2: 6(2.69,-5.08) 7(2.69,5.08)
  silkscreen extent -9.85,-7.5 29.25,7.5, body extent -9.85,-7.5 29.25,7.5, height 29.3
RESC1005X40N [mm] "Chip Resistor, EIA 0402, Metric 1005, Body 1.0x0.5mm, IPC Medium Density"
  rect 0.58x0.62 smd: 1(-0.47,0) 2(0.47,0)
  body extent -0.52,-0.27 0.53,0.28, height 0.4
RESC1608X50N [mm] "Chip Resistor, EIA 0603, Metric 1608, Body 1.6x0.8mm, IPC Medium Density"
  rect 0.72x0.99 smd: 1(-0.69,0) 2(0.69,0)
  body extent -0.87,-0.47 0.88,0.48, height 0.5
RESC1608X55N [mm] "Chip Resistor, EIA 0603, Metric 1608, Body 1.6x0.8mm, IPC Medium Density"
  rect 0.9x1 smd: 1(-0.8,0) 2(0.8,0)
  body extent -0.87,-0.47 0.88,0.48, height 0.55
RESC6331X70N [mm] "Chip Resistor, EIA 2512, Metric 6331, 2-Leads, Body 6.3x3.1mm, IPC Medium Density"
  rect 1.05x3.3 smd: 1(-3.1,0) 2(3.1,0)
  silkscreen extent -2.2,-1.65 2.2,1.65, body extent -3.25,-1.65 3.25,1.65, height 0.7
SOIC127P600X175-14N [mm] "SOIC 14, Pitch 1.27mm - Body 4x8.75mm, IPC Medium Density"
  rect 1.55x0.6 smd: 1(-2.7,3.81) 2(-2.7,2.54) 3(-2.7,1.27) 4(-2.7,0) 5(-2.7,-1.27) 6(-2.7,-2.54) 7(-2.7,-3.81) 8(2.7,-3.81) 9(2.7,-2.54) 10(2.7,-1.27) 11(2.7,0) 12(2.7,1.27) 13(2.7,2.54) 14(2.7,3.81)
  silkscreen extent -2.53,-4.4 1.55,4.78, body extent -3.1,-4.37 3.1,4.38, height 1.75
SOT95P240X110-3N [mm] "SOT23 3-Leads, Pitch 0.95mm, Body 1.3x2.9mm, IPC Medium Density"
  rect 1.05x0.65 smd: 1(-1.15,0.95) 2(-1.15,-0.95) 3(1.15,0)
  silkscreen extent -1.52,-1.45 0.3,1.92, body extent -1.25,-1.5 1.25,1.5, height 1.1
SOT190P230X110-4N [mm] "SOT143, SOT, 1.90mm Pitch; 4 Pin, 1.30mm W X 2.90mm L X 1.10mm H body, IPC Medium Density"
  rect 1x1 smd: 1(-1.15,0.75)
  rect 1x0.6 smd: 2(-1.15,-0.95) 3(1.15,-0.95) 4(1.15,0.95)
  silkscreen extent -1.52,-1.45 0.33,1.88, body extent -1.25,-1.5 1.25,1.5, height 1.1
SW_OMRON_A6RV-162RF [mm] "Body 9.8x6.64mm, Side Actuated, Rotary Code Switch, OMRON A6RV Series"
  round 1.4 hole 0.9: 1(0,2.54) 2(2.54,-2.54) 4(0,-2.54) 8(2.54,2.54) C1(0,0) C2(2.54,0)
  silkscreen extent -3.38,-4.9 3.26,4.9, body extent -3.38,-4.9 3.26,4.9, height 9.9
TO228P991X239-3N-R552X520 [mm] "TO-252AA DPAK TO, 2.28mm pitch; 2 pin,9.905mm L X 6.095mm W X 2.39mm H body, IPC Medium Density"
  rect 2.85x1 smd: 1(-4.15,2.28) 2(-4.15,-2.28)
  rect 6.5x5.55 smd: 3(2.3,0)
  silkscreen extent -5.42,-3.25 -1.3,3.42, body extent -5.22,-3.36 5.2,3.37, height 2.45
XTAL1160X490X430 [mm] "HC49/4H SMX Case, SMD Cristal, Body 11.6x4.9mm"
  rect 5.5x2 smd: 1(-4.75,0) 2(4.75,0)
  silkscreen extent -5.8,-2.45 5.8,2.45, body extent -7.15,-2.45 7.15,2.45, height 4.3